# Altium PCB RGV_Control_1V21_unpoly.PcbDoc (part 2 of 5)
Units mm, origin at the board's own origin, x right, y up, seen from the top; angles counter-clockwise.
Board outline 221.11 x 150.42 mm, 4 copper layers (Top Layer, GND, Power, Bottom Layer), stack 1.56 mm thick; 530 components, 870 nets, 2373 pads, 590 vias.
Unrouted connection lines stored in the file: 760.
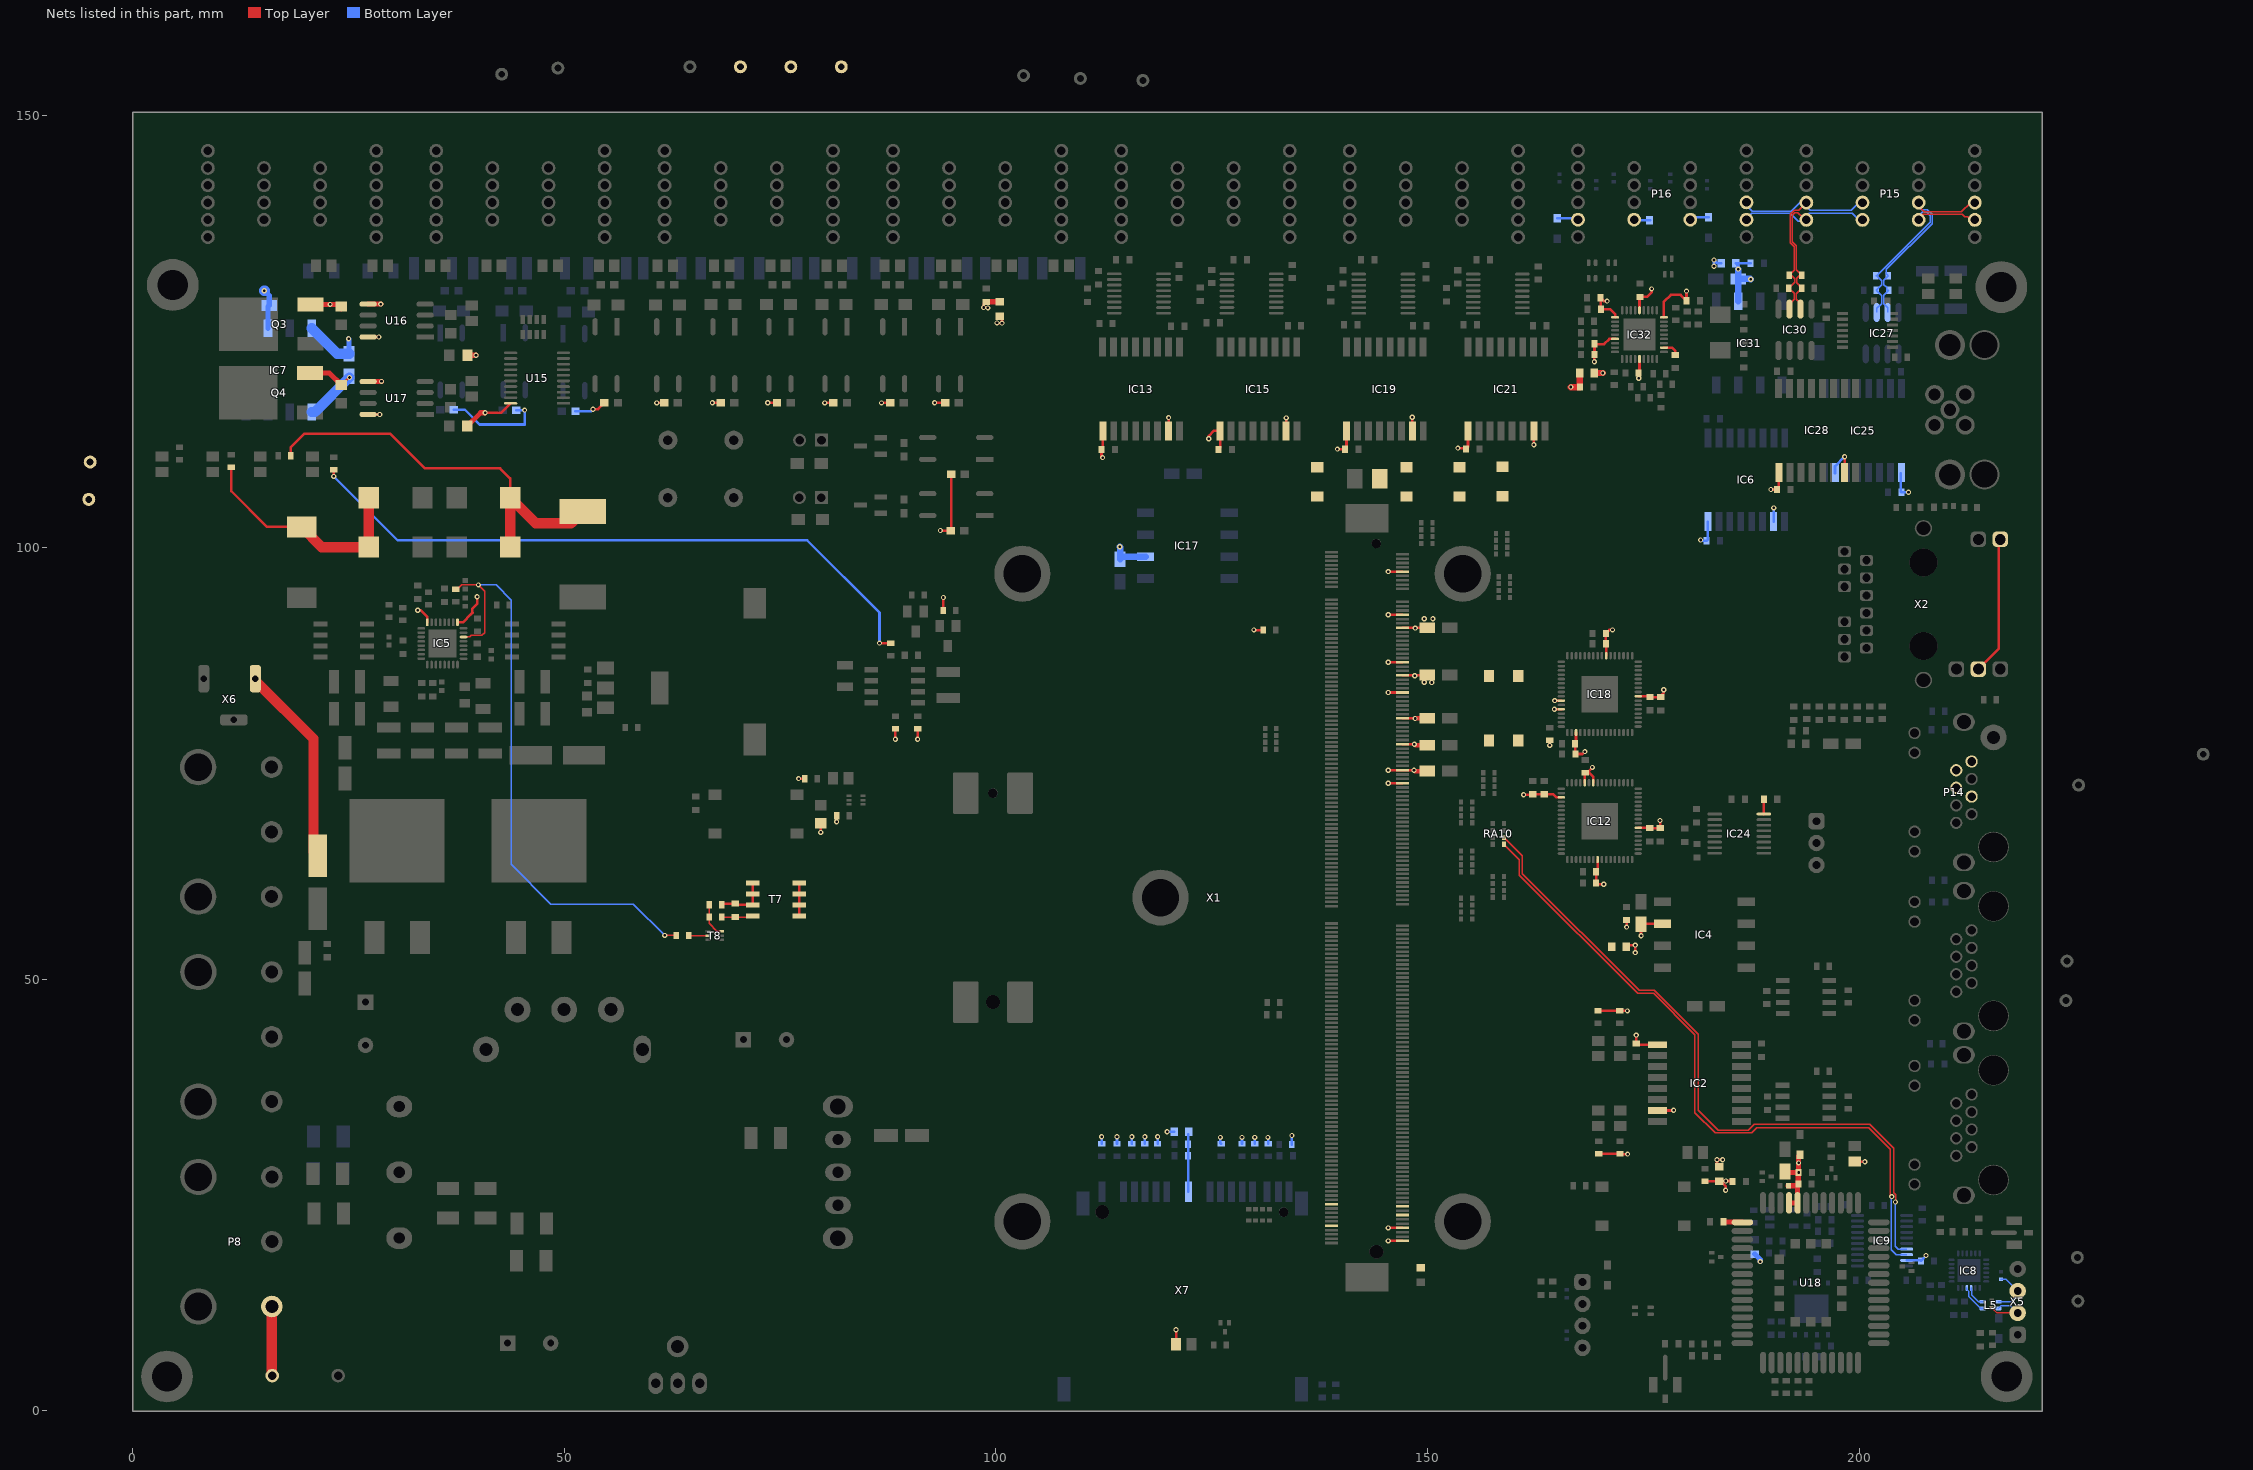
[diagram p4: the nets of this part, all layers, seen from the top]

## Footprints (in the part's own frame and the unit in brackets; to place one, negate y for a bottom-side part, rotate by r counter-clockwise, add the part's x,y. Pads: shape width x height; smd on the part's side, far side on the other; paste and mask are expansions set on the pad) (continued)
SOT-23M [mm]
  rect 1.45x0.6 smd: 1(-1.175,0) 2(1.175,0.95) 3(1.175,-0.95)
  silkscreen extent -1.47,-1.5 0.1,1.5, body extent -0.7,-1.5 0.7,1.5, height 1.1
SOT-416FL [mm] "DTC043ZEBTL"
  rect 0.65x0.46 smd: 1(1.4,-0.5) 2(1.4,0.5) 3(0.35,0)
  silkscreen extent 0.33,-1.73 2.11,1.22
SOTFL50P160X60-6N [mm] "SOT-563"
  rect 0.57x0.3 smd: 1(-0.79,0.5) 2(-0.79,0) 3(-0.79,-0.5) 4(0.79,-0.5) 5(0.79,0) 6(0.79,0.5)
  silkscreen extent -0.99,-0.8 0,0.97, body extent -0.65,-0.85 0.65,0.85, height 0.6
"T_ AMPHENOL_101-00565" [mm] "SD/MMC 8bit Card Holder"
  rect 0.8x2.35 smd: 1(1,25.375) 2(2.25,25.375) 3(3.55,25.375) 4(5.25,25.375) 5(6.43,25.375) 6(7.68,25.375) 7(8.93,25.375) 8(10.18,25.375) 9(12.67,25.375) 10(15.18,25.375) 11(16.43,25.375) 12(17.68,25.375) 13(18.93,25.375) 14(20.18,25.375) 15(22.68,25.375)
  rect 1.5x2.8 smd: S1(-0.45,2.5) S2(27.05,2.5) S3(24.86,24) S4(-0.45,24)
  round 1.1 hole 1.1 unplated: ""(1.65,23)
  round 1.6 hole 1.6 unplated: ""(22.65,23)
  silkscreen extent -0.2,4.13 26.76,22.34, body extent -0.7,0 27.3,25, height 3.45
T_AD_ADuM1300ARW [mm] "SOIC _W 16 pin"
  rect 2.2x0.8 smd: 1(-4.85,4.435) 2(-4.85,3.165) 3(-4.85,1.895) 4(-4.85,0.625) 5(-4.85,-0.645) 6(-4.85,-1.915) 7(-4.85,-3.185) 8(-4.85,-4.455) 9(4.85,-4.435) 10(4.85,-3.165) 11(4.85,-1.895) 12(4.85,-0.625) 13(4.85,0.645) 14(4.85,1.915) 15(4.85,3.185) 16(4.85,4.455)
  silkscreen extent -4.95,-5.38 3.48,5.47, body extent -3.8,-5.25 3.8,5.25, height 2.65
T_BEL_L829-1J1T-43 [mil] "LOW PROFILE GIGABIT ETHERNET JACK WITH MAGS"
  rrect50% 50x60 hole 38: 1(146,-779.68) 2(226,-779.68) 3(306,-779.68) 4(386,-779.68) 5(466,-779.68) 6(546,-779.68) 7(106,-879.68) 8(186,-879.68) 9(266,-879.68) 10(426,-879.68) 11(506,-879.68) 12(586,-879.68)
  rrect50% 70x70 hole 50: 13(50,-269.68) 14(50,-169.68) 15(642,-369.68) 16(642,-269.68) 17(642,-169.68)
  oval 74x80 hole 62: S1(0,-519.68) S2(692,-519.68)
  round 128 hole 128 unplated: X(156,-519.68) X(536,-519.68)
  silkscreen extent -7,-952 699,0, body extent -55,-947 746,20, height 494
T_CAPC0603X33N [mm]
  rect 0.7x0.85 smd: 1(-0.775,0) 2(0.775,0)
  body extent -0.8,-0.4 0.8,0.4, height 0.9
T_CAPC0805X125N [mm]
  rect 1x1.2 smd: 1(-0.95,0) 2(0.95,0)
  body extent -1,-0.63 1,0.63, height 1.4
T_CAPMP3216X180N [mm]
  rect 1.8x1.25 smd: 1(-1.3,0) 2(1.3,0)
  silkscreen extent -2,-0.7 0,1.02, body extent -1.6,-0.8 1.6,0.8, height 1.6
T_INDM102102X45N [mm]
  rect 3.4x2.4 smd: 1(0,-4.1) 2(0,4.1)
  silkscreen extent -5.52,-5.52 5.52,5.52, body extent -5.25,-5.25 5.25,5.25, height 4.5
T_INDM120120X80N [mm]
  rect 5.4x2.9 smd: 1(0,-4.95) 2(0,4.95)
  silkscreen extent -6.2,-6.2 6.2,6.2, body extent -6,-6 6,6, height 6
T_JAE_MM70-314-310B1 [mm] "MXM 3.0 Connector"
  rect 0.3x1.5 smd: 1(-40,-4.1) 2(-39.75,4.1) 3(-39.5,-4.1) 4(-39.25,4.1) 5(-39,-4.1) 6(-38.75,4.1) 7(-38.5,-4.1) 8(-38.25,4.1) 9(-38,-4.1) 10(-37.75,4.1) 11(-37.5,-4.1) 12(-37.25,4.1) 13(-37,-4.1) 14(-36.75,4.1) 15(-36.5,-4.1) 16(-36.25,4.1) 17(-36,-4.1) 18(-35.75,4.1) 23(-34.5,-4.1) 24(-34.25,4.1) 25(-34,-4.1) 26(-33.75,4.1) 27(-33.5,-4.1) 28(-33.25,4.1) 29(-33,-4.1) 30(-32.75,4.1) 31(-32.5,-4.1) 32(-32.25,4.1) 33(-32,-4.1) 34(-31.75,4.1) 35(-31.5,-4.1) 36(-31.25,4.1) 37(-31,-4.1) 38(-30.75,4.1) 39(-30.5,-4.1) 40(-30.25,4.1) 41(-30,-4.1) 42(-29.75,4.1) 43(-29.5,-4.1) 44(-29.25,4.1) 45(-29,-4.1) 46(-28.75,4.1) 47(-28.5,-4.1) 48(-28.25,4.1) 49(-28,-4.1) 50(-27.75,4.1) 51(-27.5,-4.1) 52(-27.25,4.1) 53(-27,-4.1) 54(-26.75,4.1) 55(-26.5,-4.1) 56(-26.25,4.1) 57(-26,-4.1) 58(-25.75,4.1) 59(-25.5,-4.1) 60(-25.25,4.1) 61(-25,-4.1) 62(-24.75,4.1) 63(-24.5,-4.1) 64(-24.25,4.1) 65(-24,-4.1) 66(-23.75,4.1) 67(-23.5,-4.1) 68(-23.25,4.1) 69(-23,-4.1) 70(-22.75,4.1) 71(-22.5,-4.1) 72(-22.25,4.1) 73(-22,-4.1) 74(-21.75,4.1) 75(-21.5,-4.1) 76(-21.25,4.1) 77(-21,-4.1) 78(-20.75,4.1) 79(-20.5,-4.1) 80(-20.25,4.1) 81(-20,-4.1) 82(-19.75,4.1) 83(-19.5,-4.1) 84(-19.25,4.1) 85(-19,-4.1) 86(-18.75,4.1) 87(-18.5,-4.1) 88(-18.25,4.1) 89(-18,-4.1) 90(-17.75,4.1) 91(-17.5,-4.1) 92(-17.25,4.1) 93(-17,-4.1) 94(-16.75,4.1) 95(-16.5,-4.1) 96(-16.25,4.1) 97(-16,-4.1) 98(-15.75,4.1) 99(-15.5,-4.1) 100(-15.25,4.1) 101(-15,-4.1) 102(-14.75,4.1) 103(-14.5,-4.1) 104(-14.25,4.1) 105(-14,-4.1) 106(-13.75,4.1) 107(-13.5,-4.1) 108(-13.25,4.1) 109(-13,-4.1) 110(-12.75,4.1) 111(-12.5,-4.1) 112(-12.25,4.1) 113(-12,-4.1) 114(-11.75,4.1) 115(-11.5,-4.1) 116(-11.25,4.1) 117(-11,-4.1) 118(-10.75,4.1) 119(-10.5,-4.1) 120(-10.25,4.1) 121(-10,-4.1) 122(-9.75,4.1) 123(-9.5,-4.1) 124(-9.25,4.1) 125(-9,-4.1) 126(-8.75,4.1) 127(-8.5,-4.1) 128(-8.25,4.1) 129(-8,-4.1) 130(-7.75,4.1) 131(-7.5,-4.1) 132(-7.25,4.1) 133(-7,-4.1) 134(-6.75,4.1) 135(-6.5,-4.1) 136(-6.25,4.1) 137(-6,-4.1) 138(-5.75,4.1) 139(-5.5,-4.1) 140(-5.25,4.1) 141(-5,-4.1) 142(-4.75,4.1) 143(-4.5,-4.1) 144(-4.25,4.1) 145(-4,-4.1) 146(-3.75,4.1) 147(-3.5,-4.1) 148(-3.25,4.1) 149(-3,-4.1) 150(-2.75,4.1) 151(-2.5,-4.1) 152(-2.25,4.1) 153(-2,-4.1) 154(-1.75,4.1) 155(-1.5,-4.1) 156(-1.25,4.1) 157(-1,-4.1) 158(-0.75,4.1) 159(-0.5,-4.1) 160(-0.25,4.1) 161(0,-4.1) 162(0.25,4.1) 163(0.5,-4.1) 164(0.75,4.1) 165(1,-4.1) 173(3,-4.1) 174(3.25,4.1) 175(3.5,-4.1) 176(3.75,4.1) 177(4,-4.1) 178(4.25,4.1) 179(4.5,-4.1) 180(4.75,4.1) 181(5,-4.1) 182(5.25,4.1) 183(5.5,-4.1) 184(5.75,4.1) 185(6,-4.1) 186(6.25,4.1) 187(6.5,-4.1) 188(6.75,4.1) 189(7,-4.1) 190(7.25,4.1) 191(7.5,-4.1) 192(7.75,4.1) 193(8,-4.1) 194(8.25,4.1) 195(8.5,-4.1) 196(8.75,4.1) 197(9,-4.1) 198(9.25,4.1) 199(9.5,-4.1) 200(9.75,4.1) 201(10,-4.1) 202(10.25,4.1) 203(10.5,-4.1) 204(10.75,4.1) 205(11,-4.1) 206(11.25,4.1) 207(11.5,-4.1) 208(11.75,4.1) 209(12,-4.1) 210(12.25,4.1) 211(12.5,-4.1) 212(12.75,4.1) 213(13,-4.1) 214(13.25,4.1) 215(13.5,-4.1) 216(13.75,4.1) 217(14,-4.1) 218(14.25,4.1) 219(14.5,-4.1) 220(14.75,4.1) 221(15,-4.1) 222(15.25,4.1) 223(15.5,-4.1) 224(15.75,4.1) 225(16,-4.1) 226(16.25,4.1) 227(16.5,-4.1) 228(16.75,4.1) 229(17,-4.1) 230(17.25,4.1) 231(17.5,-4.1) 232(17.75,4.1) 233(18,-4.1) 234(18.25,4.1) 235(18.5,-4.1) 236(18.75,4.1) 237(19,-4.1) 238(19.25,4.1) 239(19.5,-4.1) 240(19.75,4.1) 241(20,-4.1) 242(20.25,4.1) 243(20.5,-4.1) 244(20.75,4.1) 245(21,-4.1) 246(21.25,4.1) 247(21.5,-4.1) 248(21.75,4.1) 249(22,-4.1) 250(22.25,4.1) 251(22.5,-4.1) 252(22.75,4.1) 253(23,-4.1) 254(23.25,4.1) 255(23.5,-4.1) 256(23.75,4.1) 257(24,-4.1) 258(24.25,4.1) 259(24.5,-4.1) 260(24.75,4.1) 261(25,-4.1) 262(25.25,4.1) 263(25.5,-4.1) 264(25.75,4.1) 265(26,-4.1) 266(26.25,4.1) 267(26.5,-4.1) 268(26.75,4.1) 269(27,-4.1) 270(27.25,4.1) 271(27.5,-4.1) 272(27.75,4.1) 273(28,-4.1) 274(28.25,4.1) 275(28.5,-4.1) 276(28.75,4.1) 277(29,-4.1) 278(29.25,4.1) 279(29.5,-4.1) 280(29.75,4.1) 281(30,-4.1) 282(30.25,4.1) 283(30.5,-4.1) 284(30.75,4.1) 285(31,-4.1) 286(31.25,4.1) 287(31.5,-4.1) 288(31.75,4.1) 289(32,-4.1) 290(32.25,4.1) 291(32.5,-4.1) 292(32.75,4.1) 293(33,-4.1) 294(33.25,4.1) 295(33.5,-4.1) 296(33.75,4.1) 297(34,-4.1) 298(34.25,4.1) 299(34.5,-4.1) 300(34.75,4.1) 301(35,-4.1) 302(35.25,4.1) 303(35.5,-4.1) 304(35.75,4.1) 305(36,-4.1) 306(36.25,4.1) 307(36.5,-4.1) 308(36.75,4.1) 309(37,-4.1) 310(37.25,4.1) 311(37.5,-4.1) 312(37.75,4.1) 313(38,-4.1) 314(38.25,4.1) 315(38.5,-4.1) 316(38.75,4.1) 317(39,-4.1) 318(39.25,4.1) 319(39.5,-4.1) 320(39.75,4.1) 321(40,-4.1)
  rect 3.3x5 smd: BE1(-43.95,0) BE2(43.95,0)
  round 1.1 hole 1.1 unplated: ""(-41,1.1) ""(-12.1,-43.305)
  round 6.5 hole 4.33: ""(-37.5,11.1) ""(-37.5,-39.9) ""(0,-23.9) ""(37.5,-39.9) ""(37.5,11.1)
  rrect12% 4.8x3 smd: ""(-12.1,-40.155) ""(-12.1,-46.455) ""(12.1,-40.155) ""(12.1,-46.455)
  round 1.6 hole 1.6 unplated: ""(12.1,-43.305) ""(41,1.1)
  silkscreen extent -46.07,-48.3 46.07,5.17, body extent -44.95,-42.68 44.95,13.88, height 6.72
T_Laird_35F0121-0SR-10 [mm] "Power supply FB 10A"
  rect 2.77x1.47 smd: 1(-1.79,0) 2(1.79,0)
  silkscreen extent -2.73,-1.6 2.73,1.6, body extent -2.54,-1.53 2.54,1.53, height 3.05
T_Murata_DLW21SN900SQ2 [mm] "Common Mode Choke"
  rrect50% 0.75x0.42 smd: 1(-0.9,0.4) 2(-0.9,-0.4) 3(0.9,-0.4) 4(0.9,0.4)
  silkscreen extent -0.34,-0.55 0.34,0.55, body extent -1,-0.6 1,0.6, height 1.2
T_ON_NCV4264-2ST50T3G [mm] "SOT-223"
  rect 2x1.5 smd: 1(-3.15,2.3) 2(-3.15,0) 3(-3.15,-2.3)
  rect 2x3.8 smd: 4(3.15,0)
  silkscreen extent -4.77,-3.43 1.8,3.43, body extent -1.85,-3.35 1.85,3.35, height 1.75
T_RESC0603X30N#1 [mm]
  rect 0.65x0.85 smd: 1(-0.725,0) 2(0.725,0)
  body extent -0.8,-0.4 0.8,0.4, height 0.5
T_RESC0603X30N#2 [mm]
  rect 0.65x0.85 smd: 1(-64.682,42.913) 2(-63.232,42.913)
  body extent -64.76,42.51 -63.16,43.31, height 0.5
t_RESC0603X30N [mm]
  rect 0.65x0.85 smd: 1(-0.725,0) 2(0.725,0)
  body extent -0.8,-0.4 0.8,0.4, height 0.5
T_RESC3216X760N [mm] "R1206"
  rect 1.2x1.4 smd: 1(-1.7,0) 2(1.7,0)
  silkscreen extent -0.55,-0.88 0.55,0.88, body extent -1.6,-0.8 1.6,0.8, height 0.6
T_Resistor_Array_X4 [mm] "Resistor Array 0.8mm,0603x4"
  rect 0.5x0.6 smd: 1(0,0) 2(0,-0.8) 3(0,-1.6) 4(0,-2.4) 5(1.3,0) 6(1.3,-0.8) 7(1.3,-1.6) 8(1.3,-2.4)
  silkscreen extent -0.47,-2.92 1.77,0.52, body extent -0.47,-2.92 1.77,0.52, height 0.55
T_SMSC_USB2514B-AEZC [mm] "QFN, 36-Leads, Body 6x6mm, Pitch 0.5mm, IPC High Density"
  oval 0.95x0.3 smd: 1(-2.825,2) 2(-2.825,1.5) 3(-2.825,1) 4(-2.825,0.5) 5(-2.825,0) 6(-2.825,-0.5) 7(-2.825,-1) 8(-2.825,-1.5) 9(-2.825,-2) 19(2.825,-2) 20(2.825,-1.5) 21(2.825,-1) 22(2.825,-0.5) 23(2.825,0) 24(2.825,0.5) 25(2.825,1) 26(2.825,1.5) 27(2.825,2)
  oval 0.3x0.95 smd: 10(-2,-2.825) 11(-1.5,-2.825) 12(-1,-2.825) 13(-0.5,-2.825) 14(0,-2.825) 15(0.5,-2.825) 16(1,-2.825) 17(1.5,-2.825) 18(2,-2.825) 28(2,2.825) 29(1.5,2.825) 30(1,2.825) 31(0.5,2.825) 32(0,2.825) 33(-0.5,2.825) 34(-1,2.825) 35(-1.5,2.825) 36(-2,2.825)
  rect 3.7x3.7 smd paste-3.7: 37(0,0)
  silkscreen extent -3.97,-3.1 3.1,3.1, body extent -3.1,-3.1 3.1,3.1, height 0.91
T_ST_M74HC02TTR [mm] "Shrink Small Outline; 14 Leads; Body Width 4.4 mm; Pitch 0.65 mm"
  rect 1.26x0.36 smd: 1(-2.9,1.95) 2(-2.9,1.3) 3(-2.9,0.65) 4(-2.9,0) 5(-2.9,-0.65) 6(-2.9,-1.3) 7(-2.9,-1.95) 8(2.9,-1.95) 9(2.9,-1.3) 10(2.9,-0.65) 11(2.9,0) 12(2.9,0.65) 13(2.9,1.3) 14(2.9,1.95)
  silkscreen extent -2.9,-2.55 1.97,2.77, body extent -2.25,-2.55 2.25,2.55, height 1.15
T_TP-THT [mm] "Testpin TH"
  round 1.5 hole 0.8: 1(0,0)
  silkscreen extent -1,-1 1,1
T_VISHAY_MBRB735PBF [mm]
  rect 3.81x2.32 smd: 1(-5.585,2.64) 3(-5.585,-2.64)
  rect 9.65x11 smd: 2(5.585,0)
  silkscreen extent -5.71,-5.59 -0.47,5.59, body extent -6.3,-5.34 9.58,5.34, height 4.83
T_WMF_TD-03XB [mm] "Push Button"
  rect 1.5x1.2 smd: 1(4.75,2.25) 2(-4.75,2.25) 3(4.75,-2.25) 4(-4.75,-2.25)
  silkscreen extent -3.15,-3.15 3.15,3.15, body extent -5.15,-3 5.15,3, height 7.8
TO-3P [mm]
  round 3 hole 1.5: 1(-5.41,-2.295) 1(5.41,-2.295) 2(0,-2.295) ""(9.05,2.295)
  oval 2x3.2 hole 1.5: ""(-9.05,2.295)
  silkscreen extent -12,-7.76 12,10.25
TO-220 [mm]
  oval 1.7x2.5 hole 1.1: 1(2.54,2.135) 2(0,2.135) 3(-2.54,2.135)
  round 2.5 hole 1.5: 4(0,-2.135)
  silkscreen extent -8.5,-7.14 8.5,4.19
TSSOP-20 [mm]
  rect 1.524x0.305 smd: 1(3.05,-2.925)
  oval 1.524x0.305 smd: 2(3.05,-2.275) 3(3.05,-1.625) 4(3.05,-0.975) 5(3.05,-0.325) 6(3.05,0.325) 7(3.05,0.975) 8(3.05,1.625) 9(3.05,2.275) 10(3.05,2.925) 11(-3.05,2.925) 12(-3.05,2.275) 13(-3.05,1.625) 14(-3.05,0.975) 15(-3.05,0.325) 16(-3.05,-0.325) 17(-3.05,-0.975) 18(-3.05,-1.625) 19(-3.05,-2.275) 20(-3.05,-2.925)
  silkscreen extent -2.03,-3.43 2.03,3.4

## Part data
BAT1: library part BAT-Renata-HU2032-LF, "CR1220 Battery Holder", Manufacturer Name=Renata, Manufacturer Part No.=CR1220-Z
C1 C2 C3 C4 C9 C10 C11 C12 C14 C30 C36 C39 C44 C45 C49 C52 C66 C78 C98 C99 C105 C106 C121 C122 C128 C129 C133 C135 C142 C143 C146 C147 C150 C151 C152 C153 C154 C155 C158 C161 C168: library part C-X7R-100nF-16V-10%-0603, "Capacitor Ceramic X7R 100nF 16V 10% 0603", Rating=16V, Tolerance=10%, Type=X7R
C5 C28 C109 C144: library part C-4.7uF-16V-10%-3216-TA, "Capacitor TA 4.7uF 16V 10% 3216", Rating=16V, Tolerance=10%, Type=TA
C6 C110 C145: library part C-1uF-16V-10%-3216-TA, "Capacitor TA 1uF 16V 10% 3216", Rating=16V, Tolerance=10%, Type=TA
C7 C22 C23 C27 C47 C94 C95 C97 C111 C117 C118 C120 C148: library part C-100nF-16V-10%-0603-X7R, "Capacitor Ceramic X7R 100nF 16V 10% 0603", Rating=16V, Tolerance=10%, Type=X7R
C8: library part C-X7R-1nF-50V-10%-0402, "Capacitor Ceramic X7R 1nF 50V 10% 0402", Rating=50V, Tolerance=10%, Type=X7R
C13: library part C-47uF-10V-10%-3216-TA, "Capacitor TA 47uF 10V 10% 3216", Rating=10V, Tolerance=10%, Type=TA
C15 C16 C17 C18 C19 C20 C21 C24 C25 C26: library part CAP, "贴片电容"
C29: library part C-1uF-16V-10%-3216-TA, "Capacitor TA 1uF 35V 20% 3216", Rating=35V, Tolerance=20%, Type=TA
C31 C32 C33 C35: library part C-X7R-100pF-10V-20%-0603, "Capacitor Ceramic X7R 100pF 10V 20% 0603", Rating=10V, Tolerance=20%, Type=X7R
C34: library part C-X7R-100pF-10V-20%-0603, "Capacitor Ceramic X7R 100pF 10V 20% 0603", Tolerance=20%, Type=X7R
C37 C40 C41 C42: library part C-NP0-33pF-50V-5%-0603, "Capacitor Ceramic NP0 33pF 50V 5% 0603", Rating=50V, Tolerance=5%, Type=NP0
C38 C43 C48: library part C-4.7uF-16V-10%-0603-X5R, "Capacitor Ceramic X5R 4.7uF 16V 10% 0603", Rating=16V, Tolerance=10%, Type=X5R
C46: library part C-1uF-16V-10%-0603-X5R, "Capacitor Ceramic X5R 1uF 16V 10% 0603", Rating=16V, Tolerance=10%, Type=X5R
C50: library part C-X5R-1uF-16V-10%-0603, "Capacitor Ceramic X5R 1uF 16V 10% 0603", Rating=16V, Tolerance=10%, Type=X5R
C51: library part C-X5R-2.2uF-6.3V-20%-0603, "Capacitor Ceramic X5R 2.2uF 6.3V 20% 0603", Rating=6.3V, Tolerance=20%, Type=X5R
C53 C54 C55 C56 C57 C58 C163 Y1 Y2: library part CAP, "贴片陶瓷电容"
C59 C60 C61: library part C-10uF-50V-20%-1210-X5R, "Capacitor Ceramic X5R 10uF 50V 20% 1210", Rating=50V, Tolerance=20%, Type=X5R
C62: library part C-TA-22uF-10V-20%-3528, "Capacitor TA 22uF 10V 20% 3528", Rating=10V, Tolerance=20%, Type=TA
C63 C64 C68 C69 C70: library part C-TA-4.7uF-10V-20%-3216, "Capacitor TA 4.7uF 10V 20% 3216", Rating=10V, Tolerance=20%, Type=TA
C65 C76: library part C-X5R-10uF-10V-20%-0805, "Capacitor Ceramic X5R 10uF 10V 20% 0805", Rating=10V, Tolerance=20%, Type=X5R
C67 C156 C159 C162: library part C-X5R-1uF-16V-20%-0603, "Capacitor Ceramic X5R 1uF 16V 20% 0603", Rating=16V, Tolerance=20%, Type=X5R
C71 C72 C81 C82 C83: library part C-X5R-10uF-50V-20%-1210, "Capacitor Ceramic X5R 10uF 50V 20% 1210", Rating=50V, Tolerance=20%, Type=X5R
C73 C89 C90 C102 C103 C112 C113 C125 C126 C137 C138 C139 C140 C141: library part C-X7R-100nF-50V-20%-0603, "Capacitor Ceramic X7R 100nF 50V 20% 0603", Rating=50V, Tolerance=20%, Type=X7R
C74 C87: library part C-X7R-1nF-50V-10%-0603, "Capacitor Ceramic X7R 1nF 50V 10% 0603", Rating=50V, Tolerance=10%, Type=X7R
C75: library part C-X7R-2.7nF-50V-10%-0402, "Capacitor Ceramic X7R 2.7nF 50V 10% 0402", Rating=50V, Tolerance=10%, Type=X7R
C77 C79 C84 C86: library part C-TA-150uF-10V-10%-7343, "Capacitor TA 150uF 10V 10% 7343", Rating=10V, Tolerance=10%, Type=TA
C80 C134: library part C-X5R-10uF-6.3V-20%-0603, "Capacitor Ceramic X5R 10uF 6.3V 20% 0603", Rating=6.3V, Tolerance=20%, Type=X5R
C88 C136: library part C-X7R-10nF-25V-10%-0603, "Capacitor Ceramic X7R 10nF 25V 10% 0603", Rating=25V, Tolerance=10%, Type=X7R
C91 C92 C93 C114 C115 C116: library part C-4.7uF-6.3V-20%-0603-X5R, "Capacitor Ceramic X5R 4.7uF 6.3V 20% 0603", Rating=6.3V, Tolerance=20%, Type=X5R
C96 C100 C101 C104 C107 C108 C119 C123 C124 C127 C130 C131: library part C-X7R-470nF-16V-10%-0603, "Capacitor Ceramic X7R 470nF 16V 10% 0603", Rating=16V, Tolerance=10%, Type=X7R
C132: library part C-X5R-22uF-25V-20%-1210, "Capacitor Ceramic X5R 22uF 25V 20% 1210", Rating=25V, Tolerance=20%, Type=X5R
C149: library part C-X5R-4.7uF-6.3V-20%-0603, "Capacitor Ceramic X5R 4.7uF 6.3V 20% 0603", Rating=6.3V, Tolerance=20%, Type=X5R
C157 C160: library part C-NP0-33pF-25V-10%-0603, "Capacitor Ceramic NP0 33pF 25V 10% 0603", Rating=25V, Tolerance=10%, Type=NP0
C164: library part C-100nF-50V-20%-0603-X7R, "Capacitor Ceramic X7R 100nF 50V 20% 0603", Rating=50V, Tolerance=10%, Type=X7R
C165 C166 C167 C169 C170 C171: library part C-100nF-50V-20%-0603-X7R, "Capacitor Ceramic X7R 100nF 50V 20% 0603", Rating=50V, Tolerance=20%, Type=X7R
C172 C173 C174 C176: library part C-X7R-100nF-16V-10%-0603, Rating=16V, Tolerance=10%, Type=X7R
C175: library part C-TA, Rating=10V, Tolerance=20%, Type=TA
D1 D2 D3 D4 D5 D6 D7 D8 D9 D12: library part DIODE, "贴片二极管"
D10 D11: library part DIODE, "Diode"
D19 D20: library part D-VISHAY-MBRB735PBF, "MBRB735PBF Schottky Diode", Manufacturer Name=Vishay, Manufacturer Part No.=MBRB745
D21 D22 D23 D24: library part LED, "0805LED红"
D25 D26: library part D-Philips-BAT54-Schottky, "BAT54 Schottky Diode", Manufacturer Name=Philips, Manufacturer Part No.=BAT54
D27 D28 D29 D30 D31 D32 D38 D39 D41 D42: library part ZENER3, "TVS Diode"
D33 D34 D35 D36 D37 D40: library part Diode_TVS, "TVS Diode"
DI1 DI2 DI3 DI4 DI5 DI6 DI7 DI8 DI9 DI10 DI11 DI12 DI13 DI14 DO1 DO2 LED1 LED2 LED3 LED4 LED5 LED6 LED7 LED8 LED10: library part LED, "0805LED绿"
E1 E2 E3: library part ELECTRO1, "插装电解电容"
F1: library part FUSE1, "直插12.5A保险丝"
FU1: library part FUSE, "贴片15A保险"
FU2: library part FUSE, "贴片3A保险"
IC1 IC3: library part IC-MC-MCP2551T-I/SN, "High speed CAN Transceiver", Manufacturer Name=Microchip, Manufacturer Part No.=MCP2551T-I/SN
IC2 IC13 IC15 IC19 IC21: library part IC-AD-ADuM1402ARWZ, "Digital Isolator"
IC4 IC7 IC17 IC31: library part IC-MORNSUN-B0505XT-SMD, "MORNSUN Isolated DC/DC Converter", Manufacturer Name=Murata, Manufacturer Part No.=B0505XT
IC5: library part IC-TI-TPS51120, "Power Supply Controller", Manufacturer Name="Texas Instruments", Manufacturer Part No.=TPS51120
IC6: library part IC-AD-ADuM1400ARWZ, "Digital Isolator 4IN"
IC8: library part IC-SILICON-CP2105, "Single-Chip USB To Dual UART Bridge", Manucfacturer Part NO.=CP2105, Manufacturer Name="SILICON LABS"
IC9: library part IC-TI-TXS0108EPWR, "8-Bit Bidirectional Voltage-level Translator", Manufacturer Name="Texas Instruments", Manufacturer Part No.=TXS0108EPWR
IC10: library part IC-SGMICRO-SGM2019, "LDO Input: 2.5V to 5.5V Output:1.2V to 5V", Manufacturer Name=SGMICRO, Manufacturer Part No.=SGM2019-ADJYN5G/TR
IC11: library part IC-ON-NCV4264-2ST50T3G, "NCV4264-2ST50T3G LDO Regulator", Manufacturer Name="ON Semiconductor", Manufacturer Part No.=NCV4264-2ST50T3G
IC12 IC18: library part IC-SILICON-CP2108, "Single-Chip USB To Quad UART Bridge", Manucfacturer Part NO.=CP2108, Manufacturer Name="SILICON LABS"